# Altium PCB STM32MP25XXAK_LPDDR4.PcbDoc (part 2 of 6) (continued)
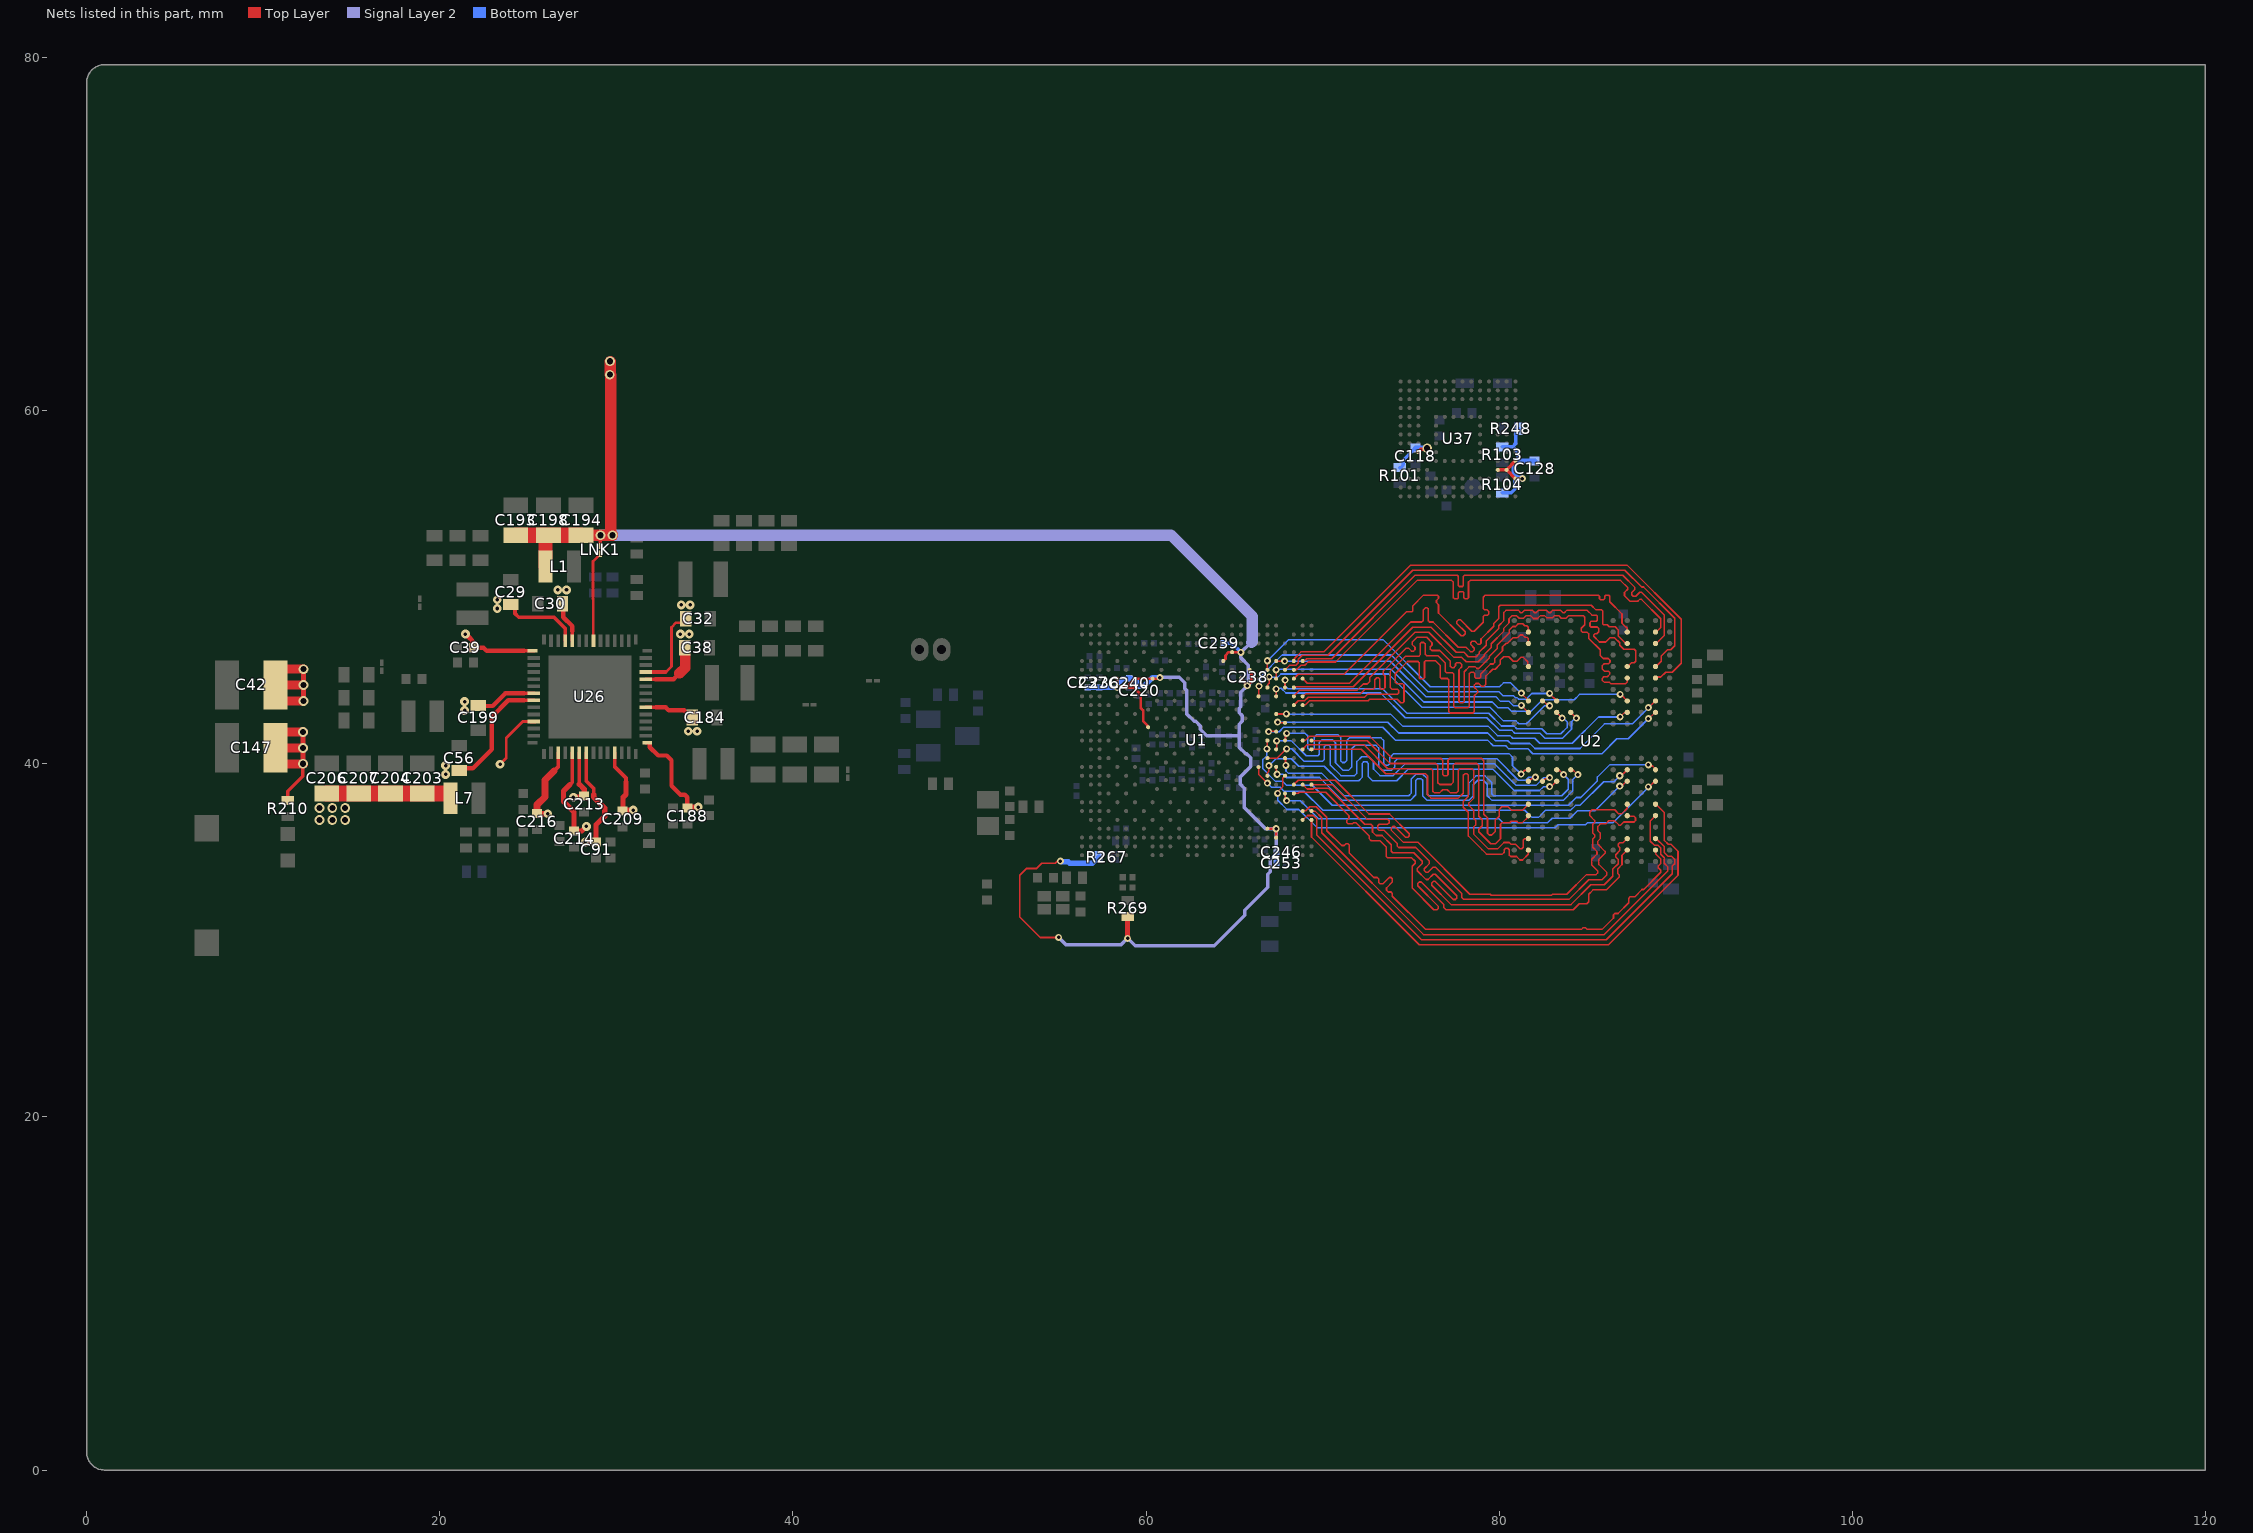
[diagram p4: the nets of this part, all layers, seen from the top]
## Part data (continued)
X1: library part MCD-01479, "Crystal, 32.768kHz, 6pF, +/-20ppm, 80K, 2.05x1.2mm", Manufacturer=NDK, Manufacturer_Part_Number=NX2012SA-32.768KHZ-EXS00A-MU00527, Package=2.05x1.2mm, BMS_Part_Number=9157049, Component_Country_Of_Origin=Unknown, ComponentLink1URL=http://tunmcdsvn.tun.st.com/Component_Documentation_Library/Trunk/Crytal_Oscillator/NDK_NX2012SA_Series, ID=3579, Internal_Part_Number=MCD-01479, Order_Code_Digikey=644-1352, Order_Code_Farnell=N/A, Order_Code_RS=N/A, Part_Preference=Recommended, Part_Type=Crystal_Osc, ShowFields=YES, Status=Released
X2: library part MCD-02344, "Crystal, 40MHz, 6pF, +/-20ppm, 80R, 1.6x1.2mm", Manufacturer=NDK, Manufacturer_Part_Number=NX1612SA-40MHZ-EXS00A-CS13836, Package=1.6x1.2mm, Component_Country_Of_Origin=Unknown, ComponentLink1URL=http://tunmcdsvn.tun.st.com/Component_Documentation_Library/Trunk/Crytal_Oscillator/NDK_NX1612SA_Series/, ID=4450, Internal_Part_Number=MCD-02344, Order_Code_Digikey=N/A, Order_Code_Farnell=N/A, Order_Code_RS=N/A, Part_Preference=Recommended, Part_Type=Crystal_Osc, ShowFields=YES, Status=Checked

## Via types
v1: diameter 0.55, hole 0.35, Top Layer to Bottom Layer, 277 vias
v2: diameter 0.4, hole 0.2, Top Layer to Bottom Layer, tented both sides, 229 vias
v3: diameter 0.5, hole 0.2, Top Layer to Bottom Layer, 146 vias
v4: diameter 0.4, hole 0.2, Top Layer to Bottom Layer, 105 vias

## Nets (pads, with @x,y where several pads share a name; then routed paths per layer and width w, separated by ;. In a path a pad name is that pad's centre, name@x,y a point inside that pad or via, vN(x,y) a via of type N, cw(c..) or ccw(c..) an arc to the next point about the centre after c; other vN are vias at no path point)
1V8: C118.2 C128.2 C193.2 C194.2 C198.2 C220.2 C236.2 C237.2 C238.2 C239.2 C240.2 C246.2 C253.2 L1.2 LNK1.2 R101.2 R103.2 R104.2 R248.2 R267.2 R269.1 U1.1E1 U1.AD22 U1.AE23 U1.D18 U1.E17 U1.F20 U1.G5 U1.G7 U1.G9 U1.G19 U1.H6 U37.C6 U37.M4 U37.N4 U37.P3 U37.P5 | length 137.4
  Top Layer w0.1: v2(55.049,30.165) 54.012,30.165 52.854,31.323 52.854,33.688 53.244,34.078 53.813,34.078 54.103,34.368 54.86,34.368 54.967,34.474 55.127,34.474 v2(55.146,34.494)
  Top Layer w0.15: U1.G5@58.375,44.825 v2(58.375,44.325) U1.H6@58.875,44.325 ; U1.1E1@60.125,42.075 60.125,42.097 60.085,42.137 60.085,42.17 59.835,42.42 59.835,43.035 59.702,43.168 59.702,43.926 59.304,44.325 U1.H6@58.875,44.325 ; v2@60.792,44.887 v2(60.79,44.885) 60.73,44.825 U1.G9@60.375,44.825 U1.G7@59.375,44.825 U1.H6@58.875,44.325 ; U1.E17@64.375,45.825 64.375,45.828 64.5,45.953 64.5,46.139 64.683,46.322 U1.D18@64.872,46.322 ; U1.D18@64.853,46.325 U1.D18@64.875,46.325 65.372,46.325 v2(65.378,46.319) ; U1.G19@65.378,44.822 65.735,44.465 v2(65.735,44.426) 65.735,44.412 65.973,44.651 65.973,45.205 65.875,45.303 U1.F20@65.875,45.325 ; U1.AD22@66.875,36.325 v2(67.375,36.325) U1.AE23@67.375,35.825 ; U37.P3@80.925,56.155 v2(81.325,56.155)
  Top Layer w0.2: LNK1.2@29.1,52.348 v1(29.1,52.95) ; U37.C6@75.425,57.655 75.602,57.832 75.877,57.832 v1(75.925,57.88) ; U37.M4@79.925,56.655 U37.N4@80.425,56.655 ; U37.P3@80.925,56.155 U37.N4@80.425,56.655 ; U37.P5@80.925,57.155 U37.N4@80.425,56.655
  Top Layer w0.3: R269.1@58.956,31.358 58.956,30.117 v2(58.962,30.112)
  Top Layer w0.64: C194.2@28,52.95 v1(29.1,52.95) v1(29.78,52.95) 29.674,53.056 v1@29.674,62.004 ; v1@29.66,62.075 v1@29.66,62.782
  Top Layer w0.8: L1.2@25.995,51.175 25.995,52.9 26.045,52.95 C198.2@26.15,52.95
  Top Layer w0.9: C193.2@24.3,52.95 C198.2@26.045,52.95 ; C198.2@26.15,52.95 C194.2@28,52.95
  Signal Layer 2 w0.2: v2(55.049,30.165) 55.449,29.766 58.598,29.766 v2@58.944,30.112 ; v2(58.962,30.112) 59.386,29.688 63.861,29.688 65.603,31.43 65.603,31.711 66.9,33.008 66.9,33.754 67.041,33.895 67.041,34.559 67.375,34.893 v2(67.375,36.325) ; v2(60.79,44.885) 60.811,44.906 61.89,44.906 62.2,44.596 62.2,44.264 62.32,44.144 62.32,42.814 62.725,42.409 62.81,42.409 63.077,42.143 ; 63.075,42.156 63.077,42.155 63.077,42.143 ; 65.285,41.575 65.285,40.928 65.64,40.572 65.694,40.572 65.93,40.336 65.93,39.851 65.349,39.271 65.349,38.835 65.569,38.615 65.569,37.527 65.566,37.525 66.77,36.322 v2@67.372,36.322 ; v2@65.674,44.353 65.773,44.452 65.773,44.591 65.794,44.612 65.794,45.583 65.378,45.999 v2(65.378,46.319) 65.927,46.868 65.981,46.868 ; v2@65.734,44.411 65.375,44.053 65.375,43.231 65.284,43.14 65.284,42.894 65.44,42.738 65.44,42.406 65.285,42.251 65.285,41.593 63.445,41.593 63.077,41.961 63.077,42.143
  Signal Layer 2 w0.64: v1@29.1,52.955 v1@29.78,52.955 ; v1(29.78,52.95) 61.405,52.95 ; 61.411,52.956 66.023,48.344 66.023,46.91 65.981,46.868
  Bottom Layer w0.15: v2(67.375,36.325) 67.375,34.827 67.391,34.811
  Bottom Layer w0.2: C239.2@64.4,46.837 64.86,46.837 v2(65.378,46.319) ; v2@65.735,44.411 65.958,44.635 65.958,44.819 C238.2@66.033,44.894 ; R101.2@74.375,56.775 74.425,56.775 74.58,56.93 74.58,57.2 75.08,57.7 75.08,57.725 75.235,57.88 C118.2@75.26,57.88 ; R103.2@80.171,57.961 80.769,57.961 ; R104.2@80.175,55.355 80.69,55.355 80.885,55.55 80.885,55.998 81.061,56.174 ; 81.075,57.136 81.075,57.655 80.769,57.961 ; R248.2@81.107,58.98 80.952,58.825 80.952,58.144 80.769,57.961
  Bottom Layer w0.25: C253.2@67.391,34.385 67.391,34.811 C246.2@67.391,34.986
  Bottom Layer w0.3: v2(55.146,34.494) 55.165,34.474 55.236,34.474 55.259,34.452 55.612,34.452 55.689,34.375 56.975,34.375 57.123,34.523 57.218,34.523 57.323,34.628 R267.2@57.323,34.723 ; C237.2@56.696,44.325 C236.2@57.35,44.325 v2@58.386,44.325 ; v2(58.375,44.325) 58.394,44.344 58.394,44.53 58.689,44.825 59.025,44.825 C240.2@59.025,44.85 ; C240.2@58.984,44.85 59.125,44.85 59.15,44.825 59.19,44.825 59.3,44.715 59.399,44.715 59.54,44.574 59.54,44.475 C220.2@59.609,44.406 59.634,44.431 59.911,44.431 60.372,44.892 60.783,44.892 v2(60.79,44.885) ; C118.2@75.26,57.88 v1(75.925,57.88) ; v2(81.325,56.155) 81.306,56.174 81.061,56.174 80.867,56.368 80.867,56.928 81.075,57.136 81.306,57.136 81.325,57.155 C128.2@82.015,57.155
  other v1: 29.631,62.047 29.642,62.8
1V8_FB: LNK1.1 U26.35 | length 5.1
  Top Layer w0.15: U26.35@28.7,46.97 28.7,49.311 28.675,49.336 28.675,51.473 LNK1.1@29.1,51.898
3V3: C203.2 C204.2 C206.2 C207.2 C216.2 L7.2 U26.3 U26.53 | length 15.3
  Top Layer w0.15: v3(23.41,39.977) 23.762,40.329 23.762,41.465 24.697,42.4 U26.53@25.33,42.4 ; U26.53@25.12,42.369 25.419,42.369 U26.53@25.45,42.4
  Top Layer w0.21: 26.473,39.598 26.7,39.825 U26.3@26.7,40.63
  Top Layer w0.3: C216.2@25.475,37.175 C216.2@25.5,37.175 v3@26.085,37.175
  Top Layer w0.4: C216.2@25.5,37.175 25.514,37.189 25.514,37.685 25.96,38.131 25.96,39.085 26.473,39.598
  Top Layer w0.9: C206.2@13.587,38.323 C203.2@19,38.323 20.362,38.323 L7.2@20.387,38.298
  other v1: 13.187,36.823 13.912,36.823 14.637,36.823 13.187,37.498 13.912,37.498 14.637,37.498
  other v3: 26.11,37.175
5V_HDMI: C91.1 U26.7 | length 6.1
  Top Layer w0.21: U26.7@28.3,40.63 28.3,39.025 28.715,38.61 28.715,38.253
  Top Layer w0.3: v3(28.24,35.58) C91.1@28.85,35.58 ; 28.715,38.253 28.715,38.118 29.335,37.498 29.335,37.035 28.85,36.55 C91.1@28.85,35.73
5V_STLK: C29.2 C30.2 C32.2 C38.2 C39.2 C42.1 C56.2 C147.1 C184.2 C188.2 C199.2 C209.2 C213.2 R210.1 U26.6 U26.11 U26.15 U26.20 U26.24 U26.25 U26.38 U26.39 U26.43 U26.49 U26.50 | length 61
  Top Layer w0.15: 32.8,45.2 33.125,45.525 33.125,47.731 33.388,47.994 33.819,47.994 C32.2@33.925,48.1
  Top Layer w0.2: R210.1@11.386,37.915 11.386,38.449 12.244,39.307 v1@12.244,39.994
  Top Layer w0.21: C29.2@24.025,49.05 24.262,48.813 24.262,48.513 24.475,48.3 26.464,48.3 27.1,47.664 U26.39@27.1,46.97 ; 24.775,43.6 U26.50@25.33,43.6 ; 24.775,44 U26.49@25.33,44 ; 24.775,46.4 U26.43@25.33,46.4 ; U26.38@27.5,46.97 27.5,47.525 ; 27.9,38.85 U26.6@27.9,40.63 ; U26.11@29.9,40.63 29.9,39.843 30.54,39.203 30.54,38.975 ; U26.15@31.67,41.2 U26.15@31.745,41.2 U26.15@31.785,41.2 ; U26.20@31.67,43.2 32.225,43.2 ; U26.24@31.67,44.8 32.207,44.8 ; U26.25@31.67,45.2 32.8,45.2
  Top Layer w0.25: C56.2@21.1,39.75 21.875,39.75 22.95,40.825 22.95,42.669 23.881,43.6 24.775,43.6 ; 21.695,47.125 21.699,47.125 21.845,46.979 21.845,46.685 C39.2@21.955,46.575 ; C39.2@22.005,46.575 22.475,46.575 22.65,46.4 24.775,46.4 ; C199.2@22.175,43.275 22.991,43.275 23.716,44 24.775,44 ; C30.2@26.925,49.075 26.994,49.006 26.994,48.308 27.5,47.802 27.5,47.525 ; 31.895,41.095 31.895,40.947 32.371,40.472 32.853,40.472 33.125,40.2 33.125,38.759 33.634,38.25 33.879,38.25 34.025,38.104 C188.2@34.025,37.55 ; 32.207,44.8 33.25,44.8 33.575,45.125 ; 32.225,43.2 32.788,43.2 32.963,43.025 33.847,43.025 33.972,42.9 34.05,42.9 34.247,42.703 C184.2@34.247,42.625
  Top Layer w0.3: v1@12.25,40 12.25,40.902 12.25,40.906 v1@12.25,41.8 ; v1@12.275,43.563 12.275,44.463 v1@12.275,45.363 ; v3@21.444,47.376 21.695,47.125 ; v3(27.565,38.11) 28.175,38.11 28.174,38.111 28.174,38.576 27.9,38.85 ; C209.2@30.35,37.38 C209.2@30.375,37.38 ; 30.54,38.975 30.54,38.269 30.375,38.104 C209.2@30.375,37.38 ; v3(30.96,37.38) C209.2@30.375,37.38 ; C188.2@34.025,37.55 v3(34.635,37.55)
  Top Layer w0.5: C147.1@10.686,39.994 12.244,39.994 v1@12.269,39.994 ; C147.1@10.686,40.906 12.25,40.906 v1@12.269,40.906 ; C147.1@10.686,41.806 v1@12.269,41.806 ; C42.1@10.686,43.557 v1@12.269,43.557 ; C42.1@10.686,44.468 v1@12.269,44.468 ; C42.1@10.686,45.368 v1@12.269,45.368
  Top Layer w0.6: 33.575,45.125 33.9,45.45 C38.2@33.9,46.175
  other v1: 12.251,40.002 12.251,40.902 12.251,41.802 12.276,43.565 12.276,44.465 12.276,45.365
  other v3: 20.325,39.4 20.325,39.9 34.075,41.85 34.575,41.85 21.4,43.025 21.4,43.525 21.45,47.348 33.625,47.35 34.125,47.35 23.25,48.8 33.675,49 34.175,49 23.25,49.3 26.675,49.85 27.175,49.85
5V_VCONN: C214.1 U26.5 | length 5.7
  Top Layer w0.21: 27.378,38.827 27.5,38.95 U26.5@27.5,40.63
  Top Layer w0.3: 27.378,38.827 27.01,38.46 27.01,37.865 27.6,37.275 C214.1@27.6,36.2 28.04,36.2 v3(28.3,36.46)
DDR_CA0_A: U1.V24 U2.H2 | length 24.6
  Top Layer w0.09: v2@67.471,38.421 67.471,38.432 67.735,38.695 67.735,39.185 U1.V24@67.875,39.325 ; v4(88.46,38.69) 88.497,38.69 88.814,39.007 U2.H2@88.873,39.007
  Bottom Layer w0.09: v2@67.463,38.318 67.463,37.935 67.983,37.415 68.659,37.415 69.683,36.39 83.176,36.39 83.326,36.54 84.88,36.54 85.007,36.667 86.447,36.667 v4@88.461,38.681
  other v2: 67.46,38.325
DDR_CA0_B: U1.M24 U2.R2 | length 23.5
  Top Layer w0.09: v2@67.46,42.35 67.484,42.326 U1.M24@67.875,42.325 ; v4@88.472,43.19 88.826,43.544 U2.R2@88.859,43.544
  Bottom Layer w0.09: v2(67.46,42.365) 73.699,42.365 ; 73.7,42.36 74.314,41.746 79.358,41.746 79.791,41.313 80.496,41.313 80.654,41.155 81.746,41.155 82.031,40.87 84.581,40.87 85.973,42.262 87.538,42.262 v4@88.461,43.185
  other v4: 88.46,43.19
DDR_CA1_A: U1.P22 U2.J2 | length 25.9
  Top Layer w0.09: v2@66.875,40.9 U1.P22@66.875,41.325 ; v4(88.46,39.94) 88.518,39.881 88.689,39.881 88.86,39.71 U2.J2@88.86,39.665
  Bottom Layer w0.09: v2@66.851,40.845 66.851,40.48 66.622,40.251 66.622,40.045 66.62,40.043 66.62,39.757 66.622,39.755 66.622,39.721 67.339,39.005 67.74,39.005 67.954,38.791 69.421,38.791 70.552,37.66 83.935,37.66 84.371,38.096 84.618,38.096 85.572,39.05 85.572,39.255 86.257,39.94 v4(88.46,39.94)
  other v2: 66.85,40.85
DDR_CA1_B: U1.N23 U2.P2 | length 24
  Top Layer w0.09: v2@66.946,41.838 67.362,41.838 U1.N23@67.375,41.825 ; v4(88.46,42.565) 88.483,42.565 88.833,42.915 U2.P2@88.86,42.915
  Bottom Layer w0.09: v2(66.95,41.825) 67.542,41.825 67.792,42.075 73.404,42.075 74.153,41.326 79.367,41.326 79.669,41.023 80.374,41.023 80.533,40.865 81.624,40.865 81.909,40.58 85.826,40.58 86.671,41.425 87.315,41.425 88.45,42.56 v4@88.461,42.56
DDR_CA2_A: U1.V22 U2.H9 | length 20.3
  Top Layer w0.09: U1.V22@66.877,39.334 66.877,39.497 66.947,39.567 66.947,39.847 v2@66.95,39.85 ; v4@82.859,38.719 82.913,38.774 83.019,38.774 U2.H9@83.26,39.015
  Bottom Layer w0.09: v2@66.966,39.895 67.358,40.287 68.23,40.287 68.647,39.869 70.104,39.869 70.926,39.046 72.053,39.046 72.239,39.232 72.239,40.017 72.339,40.117 72.501,40.117 72.595,40.024 72.595,39.281 72.83,39.046 74.2,39.046 74.859,39.705 79.637,39.705 80.852,38.49 82.293,38.49 82.511,38.708 v4@82.86,38.708
  other v2: 66.965,39.9
  other v4: 82.86,38.715
DDR_CA2_B: U1.J21 U2.R9 | length 19.8
  Top Layer w0.09: U1.J21@66.375,43.825 66.387,43.837 v2@66.387,44.388 ; v4(82.86,43.99) 82.86,43.977 83.26,43.577 U2.R9@83.26,43.565
  Bottom Layer w0.09: v2(66.4,44.4) 66.4,44.478 66.494,44.572 66.494,44.951 67.71,46.166 73.892,46.166 75.974,44.084 79.99,44.084 80.217,43.857 80.817,43.857 80.918,43.756 81.021,43.756 81.117,43.66 81.519,43.66 81.846,43.987 v4@82.858,43.987
DDR_CA3_A: U1.T22 U2.H10 | length 21.6
  Top Layer w0.09: U1.T22@66.875,40.325 67.433,40.325 v2(67.961,40.853) ; U2.H10@82.467,39.008 82.625,39.166 82.801,39.166 v4(82.86,39.225)
  Bottom Layer w0.09: v2@67.964,40.849 68.253,40.849 68.943,40.159 70.015,40.159 70.104,40.248 70.104,40.975 70.195,41.066 70.356,41.066 70.443,40.978 70.443,39.939 71.046,39.336 71.816,39.336 71.949,39.469 71.949,40.137 72.219,40.407 72.621,40.407 72.885,40.144 72.885,39.706 73.255,39.336 74.013,39.336 74.671,39.995 79.757,39.995 80.972,38.78 82.094,38.78 82.534,39.22 v4@82.861,39.22
DDR_CA3_B: U1.H22 U2.R10 | length 18.7
  Top Layer w0.09: U1.H22@66.875,44.325 66.9,44.35 66.9,44.496 66.975,44.571 66.975,44.918 v2(66.971,44.921) ; U2.R10@82.46,43.565 82.514,43.565 82.789,43.29 v4(82.86,43.29)
  Bottom Layer w0.09: v2@66.972,44.916 67.471,44.916 67.646,45.091 73.736,45.091 75.628,43.2 79.488,43.2 80.255,42.433 80.96,42.433 81.118,42.275 81.559,42.275 82.569,43.285 v4@82.861,43.285
DDR_CA4_A: U1.R23 U2.H11 | length 21.6
  Top Layer w0.09: U1.R23@67.375,40.825 67.4,40.85 v2(67.4,41.3) ; U2.H11@81.66,39.015 81.714,39.015 81.882,39.183 82.003,39.183 v4(82.06,39.24)
  Bottom Layer w0.09: v2(67.4,41.3) 68.236,41.3 69.072,40.465 69.736,40.465 69.814,40.543 69.814,41.209 69.962,41.356 70.569,41.356 70.733,41.192 70.733,40.059 71.166,39.626 71.466,39.626 71.659,39.819 71.659,40.858 71.849,41.048 73.031,41.048 73.175,40.904 73.175,39.826 73.375,39.626 73.892,39.626 74.093,39.826 74.093,40.136 74.241,40.285 79.877,40.285 81.092,39.07 81.517,39.07 81.686,39.239 v4@82.057,39.239
DDR_CA4_B: U1.F22 U2.R11 | length 17.4
  Top Layer w0.09: U1.F22@66.875,45.325 v2(66.875,45.841) ; v4@81.26,43.99 81.66,43.59 U2.R11@81.66,43.565
  Bottom Layer w0.09: v2@66.876,45.836 68.06,47.02 73.448,47.02 76.094,44.374 80.027,44.374 ; 80.044,44.379 80.249,44.584 80.665,44.584 v4@81.259,43.99
  other v4: 81.26,44.005
DDR_CA5_A: U1.P24 U2.J11 | length 21.1
  Top Layer w0.09: U1.P24@67.875,41.325 67.902,41.352 67.902,41.702 v2@67.95,41.75 ; v4@81.235,39.415 81.461,39.641 81.636,39.641 U2.J11@81.66,39.665
  Bottom Layer w0.09: v2@67.971,41.725 69.016,41.725 69.155,41.586 69.155,40.888 69.257,40.786 69.444,40.786 69.524,40.867 69.524,41.508 69.662,41.646 70.873,41.646 71.023,41.496 71.023,40.18 71.125,40.078 71.257,40.078 71.369,40.19 71.369,41.327 71.513,41.471 73.311,41.471 73.465,41.317 73.465,40.008 73.556,39.916 73.712,39.916 73.803,40.007 73.803,40.351 74.032,40.58 80.558,40.58 80.76,40.378 80.76,40.364 80.761,40.363 80.761,39.9 v4@81.251,39.41
  other v2: 67.97,41.73
  other v4: 81.25,39.415
DDR_CA5_B: U1.E23 U2.P11 | length 15.5
  Top Layer w0.09: U1.E23@67.375,45.825 67.377,45.823 67.852,45.823 v2(67.855,45.82) ; v4@81.268,43.3 81.652,42.915 U2.P11@81.66,42.915
  Bottom Layer w0.09: v2@67.856,45.815 73.833,45.815 75.854,43.794 79.829,43.794 80.085,43.538 80.573,43.538 80.822,43.289 81.24,43.289 v4@81.261,43.31
  other v4: 81.26,43.315
DDR_CKE0_A: U1.U21 U2.J4 | length 23.3
  Top Layer w0.09: U1.U21@66.376,39.833 66.376,39.409 v2(66.875,38.91) ; v4@86.979,39.384 U2.J4@87.26,39.665
  Bottom Layer w0.09: v2@66.876,38.905 67.111,38.67 67.603,38.67 67.818,38.455 68.939,38.455 70.024,37.37 81.458,37.37 81.863,36.965 82.229,36.965 82.629,37.365 84.05,37.365 84.329,37.644 84.576,37.644 85.922,38.99 86.515,38.99 v4@86.836,39.311
  other v4: 86.835,39.325
DDR_CKE0_B: U1.L23 U2.P4 | length 21.3
  Top Layer w0.09: U1.L23@67.375,42.825 67.816,42.826 67.88,42.889 v2@67.965,42.889 ; v4(86.86,42.665) 87.079,42.884 87.229,42.884 U2.P4@87.26,42.915
  Bottom Layer w0.09: v2@67.951,42.82 73.855,42.82 74.555,42.12 79.395,42.12 79.911,41.603 80.616,41.603 80.774,41.445 82.02,41.445 82.305,41.16 84.141,41.16 85.634,42.654 v4@86.855,42.654
  other v2: 67.95,42.825
DDR_CLK_A_N: U1.T24 U2.J9 | length 22.6
  Top Layer w0.09: U1.T24@67.876,40.333 67.901,40.308 67.901,39.933 v2@67.926,39.908 ; U2.J9@83.26,39.665 83.3,39.625 83.428,39.625 v4@83.659,39.394
  Bottom Layer w0.09: v2@67.929,39.902 67.929,39.595 68.048,39.476 69.936,39.476 71.211,38.2 74.886,38.2 75.034,38.348 75.034,39.159 75.29,39.415 75.683,39.415 75.925,39.172 75.925,38.286 76.011,38.2 78.213,38.2 78.291,38.277 78.291,38.915 78.692,39.316 79.204,39.316 79.578,38.941 79.578,38.301 79.68,38.2 83.553,38.2 83.915,38.561 83.915,39.135 v4(83.66,39.39)
  other v2: 67.925,39.91
DDR_CLK_A_P: U1.U23 U2.J8 | length 23.2
  Top Layer w0.09: U1.U23@67.375,39.825 67.375,39.46 v2(67.425,39.41) ; U2.J8@84.06,39.665 84.1,39.625 84.217,39.625 84.448,39.394 v4@84.459,39.394
  Bottom Layer w0.09: v2@67.427,39.404 67.766,39.404 67.945,39.226 69.832,39.226 71.108,37.95 74.989,37.95 75.284,38.245 75.284,39.055 75.393,39.165 75.579,39.165 75.675,39.069 75.675,38.182 75.908,37.95 78.317,37.95 78.541,38.174 78.541,38.811 78.795,39.066 79.1,39.066 79.328,38.838 79.328,38.198 79.576,37.95 83.657,37.95 84.165,38.458 84.165,39.096 v4(84.46,39.39)
DDR_CLK_B_N: U1.H24 U2.P9 | length 19.1
  Top Layer w0.09: U1.H24@67.875,44.325 v2(67.875,44.74) ; U2.P9@83.26,42.915 83.574,42.601 v4(83.574,42.59)
  Bottom Layer w0.09: v2(67.875,44.74) 67.851,44.716 67.851,44.441 68.027,44.265 73.389,44.265 74.785,42.869 79.409,42.869 80.135,42.143 80.839,42.143 80.998,41.985 82.422,41.985 82.707,41.7 83.49,41.7 83.85,42.06 83.85,42.383 83.649,42.584 v4@83.575,42.584
DDR_CLK_B_P: U1.J23 U2.P8 | length 19.8
  Top Layer w0.09: U1.J23@67.375,43.825 v2(67.375,44.24) ; U2.P8@84.06,42.915 84.06,42.909 v4@84.374,42.595
  Bottom Layer w0.09: v2@67.381,44.24 67.422,44.281 67.658,44.281 67.924,44.015 73.285,44.015 74.681,42.619 79.305,42.619 80.031,41.893 80.736,41.893 80.894,41.735 82.319,41.735 82.604,41.45 83.593,41.45 84.1,41.957 84.1,42.383 84.306,42.59 v4(84.374,42.59)
DDR_CS0_A: U1.Y24 U2.H4 | length 21.2
  Top Layer w0.09: U1.Y24@67.876,38.333 67.891,38.319 67.891,37.977 v2@67.967,37.901 ; v4(86.835,38.74) 86.893,38.799 87.002,38.799 87.217,39.015 U2.H4@87.26,39.015
  Bottom Layer w0.09: v2@67.971,37.915 68.747,37.915 69.769,36.893 79.992,36.893 80.209,36.675 82.756,36.675 83.005,36.924 84.02,36.924 84.45,37.354 85.449,37.354 v4(86.835,38.74)
  other v2: 67.97,37.92
DDR_CS0_B: U1.G23 U2.R4 | length 22
  Top Layer w0.09: U1.G23@67.375,44.825 v2(67.375,45.325) ; v4(86.86,43.94) 86.885,43.94 U2.R4@87.26,43.565
  Bottom Layer w0.09: v2@67.374,45.321 67.377,45.321 67.426,45.37 73.868,45.37 75.734,43.504 79.608,43.504 79.934,43.179 80.507,43.179 80.716,42.969 81.116,42.969 ; v4@86.861,43.935 84.557,43.935 84.257,43.635 82.461,43.635 81.791,42.965 81.786,42.97 81.117,42.97 ; 81.116,42.969 81.117,42.97
DDR_DQ0_A: U1.AB26 U2.B2 | length 28.6
  Top Layer w0.09: U1.AB26@68.875,37.325 68.901,37.351 69.047,37.351 69.271,37.575 69.643,37.575 70.245,36.973 70.245,36.216 71.087,35.374 71.222,35.374 71.329,35.481 71.433,35.481 71.516,35.398 71.516,34.945 72.9,33.561 73.102,33.561 73.182,33.482 73.182,33.279 73.261,33.2 73.413,33.2 73.775,33.561 73.886,33.561 73.956,33.492 73.956,33.304 73.623,32.971 73.623,32.838 73.718,32.743 73.877,32.743 73.956,32.664 73.956,32.505 75.841,30.62 84.663,30.62 84.748,30.705 84.917,30.705 85.001,30.62 85.834,30.62 86.48,31.266 86.48,31.447 86.554,31.521 86.735,31.521 87.343,32.129 87.343,32.392 87.415,32.464 87.678,32.464 88.095,32.881 88.187,32.881 89.159,33.853 89.159,33.975 89.016,34.117 89.016,34.218 89.159,34.361 89.159,34.609 88.878,34.89 88.878,35.075 U2.B2@88.859,35.094
DDR_DQ0_B: U1.F25 U2.AA2 | length 27.9
  Top Layer w0.09: U1.F25@68.375,45.325 68.389,45.339 68.535,45.339 68.771,45.575 68.979,45.575 68.983,45.579 68.992,45.579 69.182,45.769 70.734,45.769 75.355,50.39 77.311,50.39 77.399,50.301 77.399,49.414 77.47,49.344 77.625,49.344 77.696,49.415 77.696,49.699 77.751,49.754 77.943,49.754 77.996,49.701 77.996,49.416 78.069,49.344 78.198,49.344 78.269,49.414 78.269,50.298 78.361,50.39 86.882,50.39 87.285,49.987 87.285,49.888 87.106,49.71 87.106,49.524 87.419,49.21 87.854,49.21 87.957,49.313 88.065,49.313 89.154,48.224 89.154,47.723 88.875,47.444 U2.AA2@88.859,47.444
DDR_DQ1_A: U1.AC26 U2.C2 | length 28.7
  Top Layer w0.09: U1.AC26@68.877,36.829 68.897,36.829 69.143,37.075 69.479,37.075 69.665,36.889 69.665,35.976 75.601,30.04 86.074,30.04 89.813,33.779 89.813,34.215 89.945,34.347 89.945,34.585 89.761,34.769 89.567,34.769 89.364,34.972 89.364,35.306 88.905,35.765 U2.C2@88.86,35.765
DDR_DQ1_B: U1.E26 U2.Y2 | length 27.1
  Top Layer w0.09: U1.E26@68.877,45.829 68.9,45.852 68.996,45.852 69.103,45.959 70.514,45.959 75.235,50.68 77.637,50.68 77.689,50.627 77.689,50.097 77.742,50.044 77.926,50.044 77.979,50.097 77.979,50.614 78.045,50.68 87.002,50.68 87.695,49.987 87.695,49.889 87.518,49.712 87.518,49.577 87.596,49.5 87.734,49.5 87.96,49.726 88.062,49.726 89.364,48.424 89.364,47.29 88.868,46.794 U2.Y2@88.859,46.794
DDR_DQ2_A: U1.AB27 U2.E2 | length 28.9
  Top Layer w0.09: U1.AB27@69.375,37.325 69.571,37.325 69.955,36.941 69.955,36.096 75.721,30.33 85.954,30.33 89.564,33.94 89.564,34.158 89.349,34.373 89.349,34.687 89.154,34.882 89.154,35.237 88.991,35.4 88.786,35.4 88.564,35.622 88.564,36.769 U2.E2@88.86,37.065
DDR_DQ2_B: U1.F24 U2.V2 | length 29
  Top Layer w0.09: U1.F24@67.875,45.325 68.125,45.575 68.479,45.575 68.625,45.721 68.625,45.929 68.845,46.149 70.294,46.149 75.115,50.97 87.122,50.97 88.076,50.016 88.182,50.016 89.945,48.253 89.945,46.697 89.717,46.469 89.542,46.469 89.187,46.114 89.187,45.804 88.877,45.494 U2.V2@88.859,45.494
DDR_DQ3_A: U1.AC27 U2.F2 | length 30.5
  Top Layer w0.09: U1.AC27@69.375,36.825 69.375,35.856 75.481,29.75 86.194,29.75 90.135,33.691 90.135,35.043 89.738,35.44 89.582,35.44 89.364,35.658 89.364,37.233 88.882,37.715 U2.F2@88.86,37.715
DDR_DQ3_B: U1.E25 U2.U2 | length 29.8
  Top Layer w0.09: U1.E25@68.375,45.825 68.402,45.852 68.402,45.96 68.781,46.339 70.074,46.339 74.995,51.26 87.242,51.26 90.317,48.185 90.317,45.697 89.814,45.194 89.434,45.194 89.159,44.919 88.934,44.919 U2.U2@88.859,44.844
DDR_DQ4_A: U1.W25 U2.F4 | length 29.9
  Top Layer w0.09: U1.W25@68.374,38.826 68.623,39.075 70.717,39.075 72.632,37.16 73.793,37.16 74.916,36.037 74.916,35.923 74.835,35.842 74.699,35.842 74.088,36.454 73.97,36.454 73.882,36.366 73.882,36.249 74.58,35.551 75.401,35.551 78.342,32.61 79.496,32.61 79.557,32.55 82.962,32.55 83.022,32.61 83.838,32.61 84.956,33.728 85.488,33.728 85.578,33.818 85.578,33.949 85.251,34.276 85.251,34.598 85.548,34.895 85.548,35.03 85.309,35.269 85.309,35.744 85.409,35.844 85.409,35.988 85.309,36.088 85.309,36.579 85.409,36.679 85.409,36.791 85.129,37.071 85.129,37.261 85.267,37.399 86.546,37.399 86.783,37.162 86.93,37.162 87.255,37.487 U2.F4@87.255,37.71
DDR_DQ4_B: U1.J25 U2.U4 | length 28.2
  Top Layer w0.09: U1.J25@68.375,43.825 68.375,43.842 68.71,44.177 71.957,44.177 72.305,44.525 72.536,44.525 72.664,44.653 72.664,44.884 75.234,47.454 76.021,47.454 77.447,46.028 77.89,46.028 78.138,45.78 78.821,45.78 79.158,46.117 79.158,46.196 79.557,46.596 79.557,46.81 80.273,47.527 ; 80.274,47.527 80.274,47.693 80.564,47.982 80.564,48.222 80.742,48.4 80.978,48.4 81.135,48.243 81.385,48.243 81.542,48.4 81.778,48.4 81.946,48.233 82.174,48.233 82.342,48.4 82.578,48.4 82.713,48.266 83.007,48.266 83.142,48.4 83.378,48.4 83.524,48.254 83.796,48.254 83.942,48.4 84.767,48.4 84.86,48.307 84.86,47.879 84.656,47.674 84.656,47.525 84.737,47.445 85.004,47.445 85.076,47.373 85.076,47.105 85.724,46.457 85.724,46.142 85.897,45.969 86.184,45.969 86.281,45.871 86.281,45.761 86.197,45.677 85.962,45.677 85.854,45.569 85.854,45.362 85.968,45.247 86.183,45.247 86.258,45.172 86.258,45.067 86.121,44.929 85.936,44.929 85.854,44.847 85.854,44.724 85.948,44.63 86.237,44.63 86.339,44.528 87.147,44.528 87.261,44.641 U2.U4@87.26,44.865
DDR_DQ5_A: U1.W27 U2.E4 | length 29.1
  Top Layer w0.09: U1.W27@69.377,38.829 69.391,38.815 70.567,38.815 72.512,36.87 73.673,36.87 73.773,36.77 73.773,36.667 73.683,36.577 73.207,36.577 73.121,36.491 73.121,36.304 73.196,36.229 73.492,36.229 74.22,35.501 74.222,35.5 74.222,35.345 74.305,35.261 75.28,35.261 75.892,34.65 ; 75.892,34.65 76.055,34.488 76.055,34.351 75.765,34.061 75.765,33.956 75.864,33.857 75.972,33.857 76.263,34.148 76.394,34.148 77.891,32.651 77.891,32.428 77.999,32.32 83.959,32.32 85.076,33.438 85.83,33.438 86.109,33.718 86.109,33.842 85.654,34.297 85.654,34.591 86.003,34.94 86.003,35.041 85.599,35.445 85.599,35.624 85.722,35.747 85.722,36.085 85.599,36.208 85.599,36.457 85.759,36.617 86.055,36.617 86.218,36.78 86.544,36.78 86.791,36.533 86.893,36.533 87.065,36.705 87.645,36.705 87.728,36.787 87.728,36.944 87.646,37.025 87.3,37.025 U2.E4@87.26,37.065
DDR_DQ5_B: U1.H25 U2.V4 | length 27.7
  Top Layer w0.09: U1.H25@68.375,44.325 68.417,44.367 71.737,44.367 75.114,47.744 76.141,47.744 77.568,46.318 78.01,46.318 78.258,46.07 78.701,46.07 78.868,46.237 78.868,46.316 79.267,46.716 79.267,46.954 79.983,47.67 79.984,47.828 80.274,48.117 80.274,48.577 80.387,48.69 81.098,48.69 81.223,48.565 81.297,48.565 81.422,48.69 81.898,48.69 82.022,48.566 82.097,48.566 82.221,48.69 82.698,48.69 82.823,48.565 82.897,48.565 83.022,48.69 83.498,48.69 83.583,48.605 83.623,48.565 83.697,48.565 83.822,48.69 85,48.69 85.261,48.429 85.5,48.429 85.559,48.37 85.559,48.135 85.506,48.082 85.228,48.082 85.15,48.004 85.15,47.804 85.203,47.751 85.561,47.751 85.645,47.667 85.645,47.478 85.537,47.37 85.437,47.37 85.366,47.3 85.366,47.225 85.688,46.904 86.046,46.904 86.274,47.132 86.558,47.132 86.837,46.853 86.837,46.715 87.061,46.491 87.654,46.491 87.742,46.404 87.742,45.81 87.662,45.73 87.506,45.73 87.27,45.494 U2.V4@87.259,45.494
DDR_DQ6_A: U1.W26 U2.C4 | length 29.1
  Top Layer w0.09: U1.W26@68.875,38.825 69.125,38.575 69.479,38.575 69.529,38.625 70.347,38.625 72.392,36.58 72.738,36.58 72.831,36.487 72.831,36.141 73.032,35.939 73.372,35.939 73.897,35.415 73.897,35.054 73.979,34.971 75.16,34.971 75.652,34.479 75.652,34.359 75.366,34.072 75.366,33.946 75.863,33.448 75.973,33.448 76.271,33.746 76.386,33.746 77.601,32.531 77.601,32.389 77.532,32.319 77.402,32.319 76.38,33.341 76.276,33.341 76.18,33.245 76.18,33.13 77.28,32.03 84.079,32.03 85.196,33.148 85.952,33.148 86.441,33.637 ; U2.C4@87.26,35.765 87.037,35.542 86.835,35.542 86.745,35.452 86.745,35.345 86.836,35.254 86.836,35.088 86.605,34.857 86.605,34.723 86.747,34.581 86.747,34.448 86.745,34.446 86.745,34.347 86.44,34.042 86.44,33.638 ; 86.44,33.638 86.441,33.637
DDR_DQ6_B: U1.G26 U2.Y4 | length 25.9
  Top Layer w0.09: U1.G26@68.877,44.829 69.133,44.573 71.533,44.573 74.994,48.034 75.629,48.034 75.7,48.106 75.7,48.718 75.828,48.846 75.923,48.846 75.989,48.779 75.989,48.104 76.059,48.034 76.261,48.034 77.687,46.608 77.972,46.608 78.131,46.608 78.378,46.36 78.502,46.36 78.596,46.455 78.596,46.553 78.391,46.759 78.391,46.862 78.466,46.938 78.634,46.938 78.807,46.765 78.906,46.765 78.977,46.836 78.977,47.074 79.694,47.792 79.694,47.948 79.984,48.238 79.984,48.899 80.065,48.98 85.224,48.98 85.485,48.719 85.811,48.719 85.864,48.666 85.864,47.944 85.932,47.876 86.13,47.876 86.247,47.759 86.577,47.759 86.754,47.582 86.754,47.248 87.208,46.794 U2.Y4@87.259,46.794
DDR_DQ7_A: U1.Y25 U2.B4 | length 29.9
  Top Layer w0.09: U1.Y25@68.375,38.325 68.62,38.325 68.682,38.387 70.174,38.387 71.498,37.064 71.498,36.927 71.365,36.794 71.365,36.68 71.444,36.601 71.698,36.601 71.771,36.674 71.888,36.674 72.636,35.926 72.636,35.768 72.76,35.644 73.257,35.644 73.606,35.296 73.606,34.757 73.682,34.681 75.04,34.681 75.246,34.476 75.246,34.362 75.076,34.192 75.076,32.969 76.305,31.74 76.487,31.74 76.565,31.818 76.565,31.925 75.391,33.098 75.391,33.218 75.481,33.307 75.593,33.307 76.865,32.035 76.865,31.863 76.988,31.74 84.199,31.74 84.54,32.082 84.963,32.082 85.073,32.191 85.073,32.614 85.316,32.858 86.072,32.858 86.807,33.593 86.807,33.701 86.731,33.777 86.731,34.064 86.964,34.297 86.964,34.819 U2.B4@87.26,35.115
DDR_DQ7_B: U1.G25 U2.AA4 | length 28.3
  Top Layer w0.09: U1.G25@68.374,44.826 68.623,45.075 71.214,45.075 74.754,48.614 75.062,48.614 75.12,48.673 75.12,48.958 75.722,49.56 76.504,49.56 76.569,49.494 76.569,49.369 76.455,49.254 76.455,49.134 76.569,49.02 76.569,48.547 77.854,47.262 77.97,47.262 78.08,47.372 78.08,47.483 77.609,47.954 77.609,48.064 77.706,48.161 77.814,48.161 78.456,47.518 78.6,47.518 79.099,48.016 79.099,48.341 79.169,48.412 79.329,48.412 79.403,48.485 79.403,48.642 79.316,48.729 79.17,48.729 79.099,48.8 79.099,49.443 79.216,49.56 85.622,49.56 ; 85.623,49.56 85.69,49.493 85.69,49.367 85.758,49.299 85.914,49.299 85.98,49.365 85.98,49.497 86.043,49.56 86.21,49.56 86.276,49.494 86.276,49.18 86.964,48.492 86.964,47.972 87.259,47.677 U2.AA4@87.259,47.444
DDR_DQ8_A: U1.R27 U2.B11 | length 20.4
  Top Layer w0.09: U1.R27@69.378,40.828 72.189,40.828 73.576,39.44 75.832,39.44 75.945,39.327 75.945,38.257 76.14,38.062 77.697,38.062 77.975,38.34 77.975,39.352 78.063,39.44 78.177,39.44 78.265,39.352 78.265,38.163 77.976,37.874 77.976,37.541 78.258,37.259 78.258,37.23 78.265,37.223 78.265,35.912 79.028,35.149 79.287,34.89 80.187,34.89 80.285,34.988 80.285,35.141 80.36,35.215 80.498,35.215 80.575,35.138 80.575,34.826 80.65,34.751 80.987,34.751 81.183,34.555 81.332,34.555 81.659,34.882 U2.B11@81.66,35.115
DDR_DQ8_B: U1.J26 U2.AA11 | length 23.9
  Top Layer w0.09: U1.J26@68.875,43.825 68.879,43.829 68.915,43.829 69.065,43.979 72.169,43.979 72.425,44.235 72.874,44.235 72.954,44.314 72.954,44.764 73.065,44.875 73.172,44.875 73.243,44.804 73.243,44.315 73.324,44.235 73.454,44.235 73.536,44.316 73.536,44.977 73.449,45.063 73.449,45.259 74.749,46.559 74.863,46.559 75.035,46.387 75.157,46.387 75.235,46.465 75.235,46.605 75.074,46.767 75.074,46.884 75.354,47.164 75.901,47.164 76.198,46.867 76.198,46.72 76.106,46.628 76.106,46.499 76.182,46.423 76.642,46.423 77.239,45.827 77.239,45.535 77.328,45.446 77.425,45.446 77.529,45.55 77.529,45.662 77.605,45.738 77.77,45.738 77.886,45.622 77.886,45.497 77.73,45.342 77.73,43.53 77.8,43.46 77.952,43.46 78.02,43.528 78.02,45.22 78.29,45.49 78.658,45.49 78.748,45.399 78.851,45.399 79.448,45.997 79.448,46.076 79.903,46.531 ; 79.904,46.531 79.904,46.746 80.575,47.417 80.575,47.583 80.771,47.779 80.931,47.779 81.091,47.939 81.34,47.939 81.449,47.83 81.563,47.83 81.659,47.734 U2.AA11@81.66,47.465
DDR_DQ9_A: U1.R26 U2.C11 | length 21.2
  Top Layer w0.09: U1.R26@68.875,40.825 69.125,41.075 72.352,41.075 73.697,39.73 76.134,39.73 76.235,39.629 76.235,38.453 76.336,38.352 76.622,38.352 76.809,38.539 77.063,38.539 77.25,38.352 77.577,38.352 77.685,38.46 77.685,39.625 77.79,39.73 78.453,39.73 78.555,39.628 78.555,38.043 78.292,37.78 78.292,37.635 78.555,37.372 78.555,36.912 78.676,36.791 78.676,36.538 78.555,36.417 78.555,36.032 79.407,35.18 79.914,35.18 ; 79.915,35.181 80.279,35.545 80.578,35.545 80.674,35.449 80.929,35.449 81.182,35.196 81.29,35.196 81.367,35.274 81.367,35.691 81.436,35.759 81.654,35.759 U2.C11@81.66,35.765
DDR_DQ9_B: U1.K25 U2.Y11 | length 23.9
  Top Layer w0.09: U1.K25@68.375,43.325 68.625,43.575 68.984,43.575 69.183,43.774 72.374,43.774 72.545,43.945 74.245,43.945 74.323,44.023 74.323,44.15 74.236,44.237 73.921,44.237 73.826,44.333 73.826,45.226 74.697,46.097 75.451,46.097 75.525,46.172 75.525,46.802 75.598,46.874 75.74,46.874 75.816,46.799 75.816,46.203 75.886,46.133 76.522,46.133 76.949,45.706 76.949,45.225 77.018,45.156 77.361,45.156 77.44,45.077 77.44,43.24 77.51,43.17 78.237,43.17 78.31,43.243 78.31,45.1 78.41,45.2 78.537,45.2 78.629,45.108 78.629,44.919 78.706,44.842 78.874,44.842 78.954,44.923 78.954,45.093 79.515,45.654 79.655,45.654 ; 79.656,45.654 79.765,45.763 79.765,45.982 79.769,45.982 80.194,46.407 80.194,46.626 80.403,46.835 80.477,46.835 80.783,47.142 81.038,47.142 81.196,47.3 81.327,47.3 81.447,47.18 81.577,47.18 81.659,47.097 U2.Y11@81.66,46.815
DDR_DQ10_A: U1.P27 U2.E11 | length 20.4
  Top Layer w0.09: U1.P27@69.377,41.329 69.401,41.305 72.532,41.305 73.817,40.02 76.417,40.02 76.525,39.912 76.525,38.936 76.632,38.829 77.276,38.829 77.395,38.948 77.395,39.902 77.513,40.02 78.731,40.02 78.845,39.906 78.845,37.032 79.049,36.828 79.049,36.501 78.845,36.297 78.845,36.152 79.527,35.47 79.795,35.47 80.08,35.755 80.08,36.576 80.171,36.667 80.608,36.667 80.69,36.749 81.006,36.749 81.1,36.655 81.304,36.655 81.66,37.01 U2.E11@81.66,37.065
DDR_DQ10_B: U1.K26 U2.V11 | length 23.8
  Top Layer w0.09: U1.K26@68.875,43.325 68.898,43.35 69.03,43.35 69.257,43.578 72.588,43.578 72.665,43.655 74.226,43.655 74.426,43.456 74.544,43.456 74.613,43.525 74.613,44.465 74.55,44.527 74.217,44.527 74.116,44.629 74.116,45.105 74.809,45.799 75.413,45.799 75.484,45.728 75.484,44.878 75.536,44.825 75.722,44.825 75.775,44.878 75.775,45.768 75.85,45.843 76.402,45.843 76.659,45.586 76.659,44.906 76.729,44.836 77.082,44.836 77.15,44.768 77.15,42.954 77.224,42.88 78.527,42.88 78.6,42.953 78.6,43.859 78.782,44.041 78.782,44.151 78.6,44.333 78.6,44.461 78.691,44.552 78.848,44.552 79.015,44.385 79.126,44.385 79.253,44.512 79.253,44.982 79.635,45.364 79.776,45.364 80.055,45.643 80.055,45.862 80.257,46.064 80.543,46.064 80.798,45.809 81.011,45.809 81.231,46.029 81.379,46.029 81.62,45.788 81.62,45.554 U2.V11@81.66,45.515
DDR_DQ11_A: U1.P26 U2.F11 | length 20.8
  Top Layer w0.09: U1.P26@68.875,41.325 68.889,41.339 69.035,41.339 69.271,41.575 69.638,41.575 69.658,41.555 72.692,41.555 73.937,40.31 76.699,40.31 76.815,40.194 76.815,39.398 76.897,39.316 77.031,39.316 77.105,39.39 77.105,40.203 77.212,40.31 79.002,40.31 79.135,40.177 79.135,37.152 79.342,36.945 79.342,36.066 79.439,35.968 79.583,35.968 79.779,36.165 79.779,36.816 80.002,37.04 80.002,37.417 80.155,37.569 80.502,37.569 80.697,37.374 81.331,37.374 U2.F11@81.666,37.709